# Altium PCB Блок 1а (БУ АРМ).PcbDoc (part 4 of 4)
Units mm, origin at the board's own origin, x right, y up, seen from the top; angles counter-clockwise.
Board outline 220 x 306 mm, 6 copper layers (Top Layer, Top, Internal Plane 1, gnd, Mid-Layer 1, int1, Layer 1, Layer 2, Bottom Layer), stack 2.063 mm thick; 441 components, 363 nets, 1411 pads, 551 vias.
Unrouted connection lines stored in the file: 221.
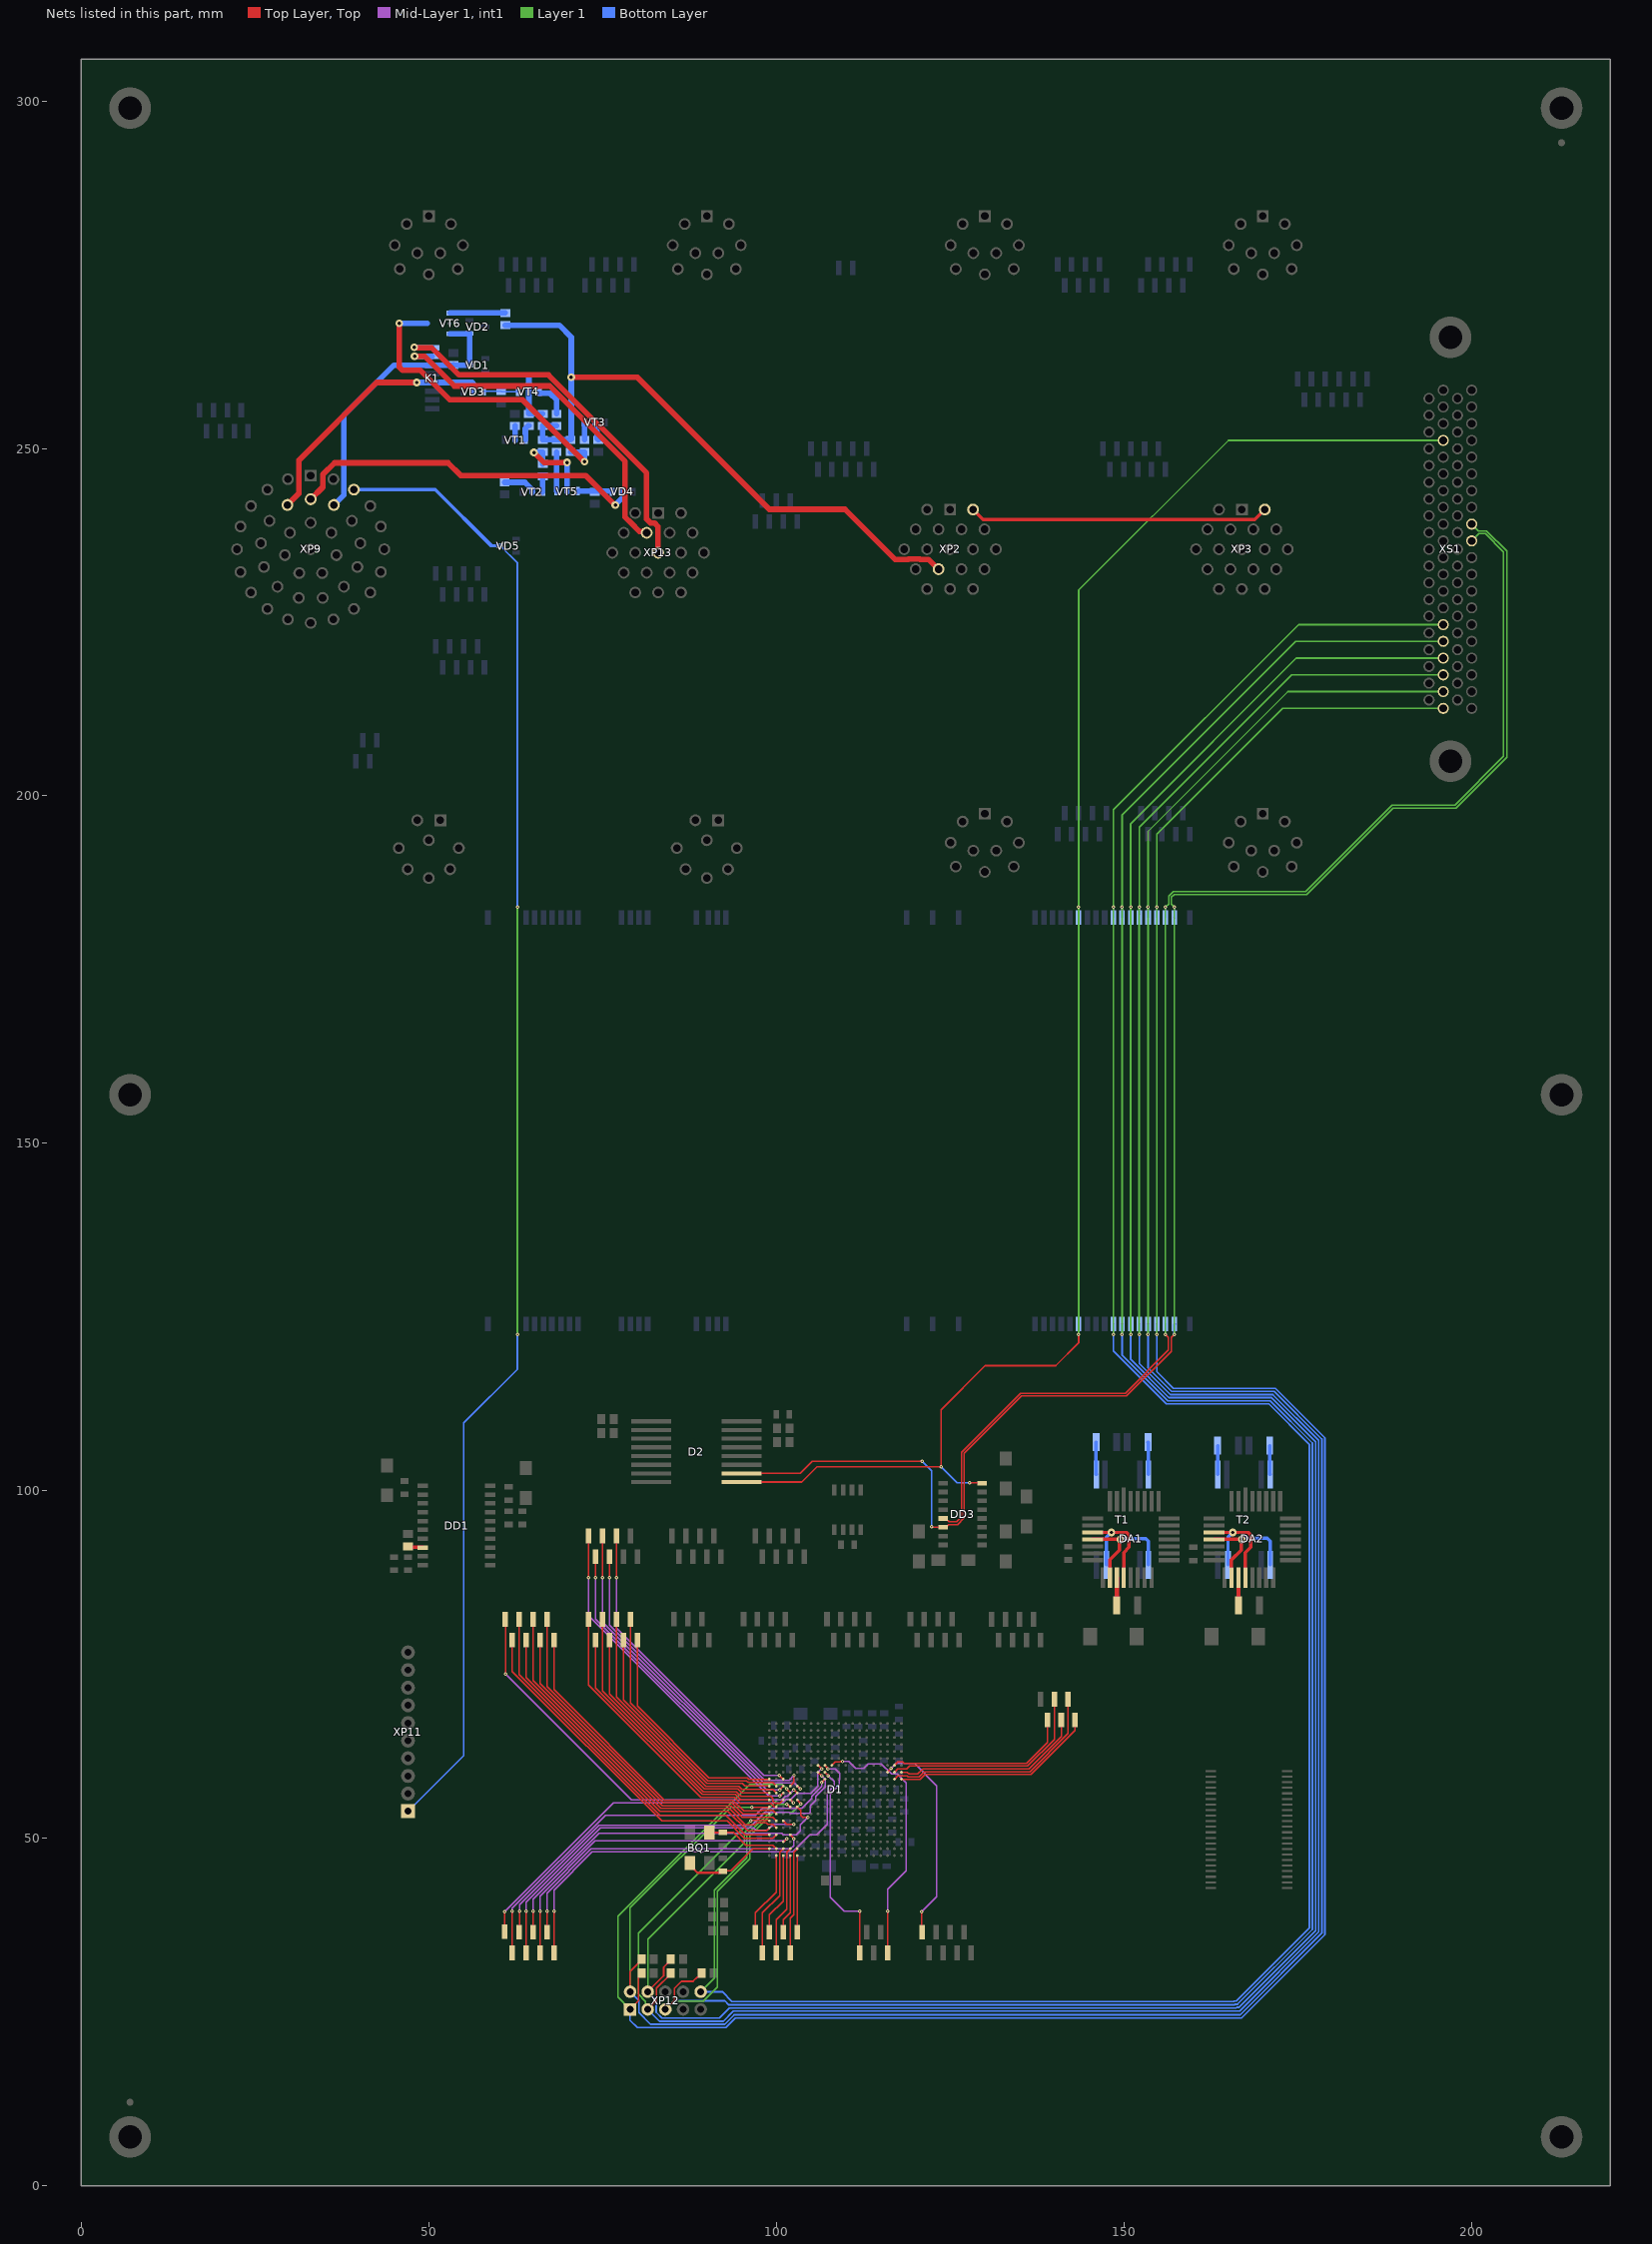
[diagram p8: the nets of this part, all layers, seen from the top]

## Via types
v1: diameter 0.5, hole 0.2, Top Layer, Top to Bottom Layer, tented both sides, 339 vias
v2: diameter 1.1, hole 0.5, Top Layer, Top to Bottom Layer, 100 vias
v3: diameter 0.5, hole 0.2, Top Layer, Top to Bottom Layer, 90 vias
v4: diameter 1.1, hole 0.5, Top Layer, Top to Bottom Layer, tented both sides, 22 vias

## Nets (pads, with @x,y where several pads share a name; then routed paths per layer and width w, separated by ;. In a path a pad name is that pad's centre, name@x,y a point inside that pad or via, vN(x,y) a via of type N, cw(c..) or ccw(c..) an arc to the next point about the centre after c; other vN are vias at no path point) (continued)
NetD1_G8: D1.G8 X98.1 | length 58.9
  Top Layer, Top w0.2: X98.1@60.934,36.567 v1(60.934,39.434) ; D1.G8@106,60.5 106.007,60.5 106.507,60 v1(106.514,60)
  Mid-Layer 1, int1 w0.2: v1(60.934,39.434) 76.562,55.062 100.924,55.062 101.473,55.611 102.111,55.611 102.975,56.475 104.985,56.475 105.957,57.448 105.957,59.457 106.5,60 v1(106.514,60)
NetD1_G9: D1.G9 X61.1 | length 32.1
  Top Layer, Top w0.2: D1.G9@107,60.5 107,60.455 107.436,60.019 v1(107.436,59.975) ; X61.1@112,33.5 v1(112,39.5)
  Mid-Layer 1, int1 w0.2: v1(107.436,59.975) 107.461,60 108.453,60 109.1,59.353 109.1,58.472 109.027,58.399 109.027,57.643 107.754,56.37 107.754,41.496 109.75,39.5 v1(112,39.5)
NetD1_G10: D1.G10 X53.1 | length 38.3
  Top Layer, Top w0.2: D1.G10@108,60.5 108.495,60.995 109.195,60.995 109.217,61.017 109.476,61.017 v1(109.524,61.064) ; X53.1@116,33.5 v1(116,39.5)
  Mid-Layer 1, int1 w0.2: v1(109.524,61.064) 109.534,61.074 110.432,61.074 111.452,60.054 112.594,60.054 113.256,60.716 115.081,60.716 116.567,59.23 117.392,59.23 118.676,57.946 118.676,45.338 116,42.662 v1(116,39.5)
NetD1_G19: D1.G19 X137.1 | length 26.8
  Top Layer, Top w0.2: D1.G19@117,60.5 117.495,60.995 118.205,60.995 118.43,60.77 135.999,60.77 139,63.77 X137.1@139,67
NetD1_H8: D1.H8 X89.1 | length 58.7
  Top Layer, Top w0.2: X89.1@63,36.5 63.05,36.55 v1(63.05,39.491) ; D1.H8@106,59.5 106.564,58.936 106.587,58.959 v1@106.587,58.995
  Mid-Layer 1, int1 w0.2: v1(63.05,39.491) 63.05,40.419 74.517,51.886 96.511,51.886 98.373,53.748 101.828,53.748 102.032,53.543 104.657,53.543 104.864,53.75 104.864,54.661 105.658,55.454 105.658,56.017 107.057,57.417 107.057,58.493 v1(106.55,59)
NetD1_H9: D1.H9 X67.1 | length 60.8
  Top Layer, Top w0.2: X67.1@68,33.5 v1(68,39.5) ; D1.H9@107,59.5 107,59.471 107.442,59.029 v1(107.442,59)
  Mid-Layer 1, int1 w0.2: v1(68,39.5) 68,42.54 73.519,48.059 102.408,48.059 104.828,50.479 105.811,50.479 107.354,52.021 107.354,56.548 108.342,57.536 108.342,58.158 107.5,59 v1(107.442,59)
NetD1_H18: D1.H18 X134.1 | length 30.8
  Top Layer, Top w0.2: D1.H18@116,59.5 116,59.537 116.5,60.037 v1(116.5,60.075) ; X134.1@120.934,36.567 v1(120.934,39.434)
  Mid-Layer 1, int1 w0.2: v1(116.5,60.075) 117.16,60.735 119.914,60.735 123.086,57.564 123.086,41.586 v1(120.934,39.434)
NetD1_H19: D1.H19 X135.1 | length 30.7
  Top Layer, Top w0.2: D1.H19@117,59.5 117.495,59.995 118.792,59.995 119.166,60.37 136.165,60.37 140,64.204 X135.1@140,70
NetD1_H20: D1.H20 X136.1 | length 27.7
  Top Layer, Top w0.2: D1.H20@118,59.5 118.857,59.5 119.127,59.23 120.361,59.23 121.101,59.97 136.331,59.97 141,64.639 X136.1@141,67
NetD1_J1: D1.J1 X101.1 | length 32.8
  Top Layer, Top w0.2: X101.1@80,78.5 80,69.009 90.33,58.679 95.841,58.679 96.02,58.5 D1.J1@99,58.5
NetD1_J3: D1.J3 X100.1 | length 46.3
  Top Layer, Top w0.2: v1(77,87.5) X100.1@77,93.5 ; v1(100.459,59.036) 100.461,59.036 100.997,58.5 D1.J3@101,58.5
  Mid-Layer 1, int1 w0.2: v1(77,87.5) 77,80.263 98.213,59.05 100.445,59.05 v1(100.459,59.036)
NetD1_J9: D1.J9 X62.1 | length 59.6
  Top Layer, Top w0.2: X62.1@62,33.5 v1(62,39.5) ; v1(106.507,58) 106.507,58.004 107,58.496 D1.J9@107,58.5
  Mid-Layer 1, int1 w0.2: v1(62,39.5) 62,39.934 62.283,40.217 75.389,53.323 96.993,53.323 97.992,54.322 103.672,54.322 105.075,55.725 105.075,56 106.525,57.45 106.525,57.982 v1(106.507,58)
NetD1_J19: D1.J19 X132.1 | length 32.8
  Top Layer, Top w0.2: D1.J19@117,58.5 117.495,58.995 118.796,58.995 118.961,58.83 120.527,58.83 121.267,59.57 136.497,59.57 142,65.073 X132.1@142,70
NetD1_J20: D1.J20 X133.1 | length 29.5
  Top Layer, Top w0.2: D1.J20@118,58.5 118.725,58.5 118.795,58.43 120.693,58.43 121.432,59.17 136.662,59.17 143,65.507 X133.1@143,67
NetD1_K1: D1.K1 X102.1 | length 34.7
  Top Layer, Top w0.2: X102.1@78,78.5 78,69.878 89.999,57.879 95.079,57.879 95.459,57.5 D1.K1@99,57.5
NetD1_K2: D1.K2 X103.1 | length 38
  Top Layer, Top w0.2: X103.1@79,81.5 79,69.444 90.164,58.279 95.675,58.279 95.949,58.005 99.495,58.005 D1.K2@100,57.5
NetD1_K3: D1.K3 X104.1 | length 46.4
  Top Layer, Top w0.2: v1(74,87.5) X104.1@74,90.5 ; v1@100.431,56.98 100.48,56.98 D1.K3@101,57.5
  Mid-Layer 1, int1 w0.2: v1(74,87.5) 74,81.566 98.641,56.925 v1(100.5,56.925)
NetD1_K4: D1.K4 X105.1 | length 47.7
  Top Layer, Top w0.2: v1(76,87.5) X105.1@76,90.5 ; D1.K4@102,57.5 102.505,58.005 102.505,58.989 v1(102.551,59.036)
  Mid-Layer 1, int1 w0.2: v1(76,87.5) 76,80.697 98.367,58.33 101.845,58.33 v1(102.551,59.036)
NetD1_K5: D1.K5 X106.1 | length 51.4
  Top Layer, Top w0.2: v1(75,87.5) X106.1@75,93.5 ; D1.K5@103,57.5 103.03,57.5 103.444,57.086 v1@103.475,57.086
  Mid-Layer 1, int1 w0.2: v1(75,87.5) 75,81.131 98.202,57.93 102.62,57.93 v1(103.45,57.1)
NetD1_L1: D1.L1 X107.1 | length 36.7
  Top Layer, Top w0.2: X107.1@76,78.5 76,70.747 89.667,57.079 94.435,57.079 95.015,56.5 D1.L1@99,56.5
NetD1_L2: D1.L2 X108.1 | length 39.9
  Top Layer, Top w0.2: X108.1@77,81.5 77,70.312 89.833,57.479 94.603,57.479 95.077,57.005 99.495,57.005 D1.L2@100,56.5
NetD1_L3: D1.L3 X109.1 | length 50.4
  Top Layer, Top w0.2: v1(73,87.5) X109.1@73,93.5 ; v1@100.492,56.036 100.514,56.036 100.978,56.5 D1.L3@101,56.5
  Mid-Layer 1, int1 w0.2: v1(73,87.5) 73,82 98.925,56.075 v1(100.5,56.075)
NetD1_L5: D1.L5 X111.1 | length 58.1
  Top Layer, Top w0.2: X111.1@61,81.5 61.075,81.425 v1(61.075,73.604) ; v1@102.529,56.953 102.538,56.953 102.991,56.5 D1.L5@103,56.5
  Mid-Layer 1, int1 w0.2: v1(61.075,73.604) 79.179,55.5 100.796,55.5 101.307,56.011 101.586,56.011 v1(102.5,56.925)
NetD1_M1: D1.M1 X112.1 | length 38.6
  Top Layer, Top w0.2: X112.1@74,78.5 74,71.615 89.336,56.279 94.104,56.279 94.884,55.5 D1.M1@99,55.5
NetD1_M3: D1.M3 X114.1 | length 43.5
  Top Layer, Top w0.2: X114.1@75,81.5 75,71.181 89.501,56.679 94.27,56.679 94.954,55.995 99.205,55.995 99.5,55.7 99.5,55.3 99.795,55.005 100.505,55.005 D1.M3@101,55.5
NetD1_N2: D1.N2 X113.1 | length 43.7
  Top Layer, Top w0.2: X113.1@73,81.5 73,72.049 89.17,55.879 93.938,55.879 94.813,55.005 99.217,55.005 99.711,54.511 99.989,54.511 D1.N2@100,54.5
NetD1_N5: D1.N5 X110.1 | length 52.5
  Top Layer, Top w0.2: X110.1@65,36.5 v1(65,39.5) ; D1.N5@103,54.456 103.044,54.456 103.495,54.005 103.495,53.305 103.8,53 104.544,53 v1(104.562,52.982)
  Top Layer, Top w0.4: D1.N5@103,54.456 D1.N5@103,54.5
  Mid-Layer 1, int1 w0.2: v1(65,39.5) 65,41.237 74.482,50.719 96.92,50.719 96.94,50.7 100.77,50.7 100.984,50.486 102.862,50.486 103.471,51.095 103.471,51.89 v1(104.562,52.982)
NetD1_P1: D1.P1 X116.1 | length 49.3
  Top Layer, Top w0.2: X116.1@67,81.5 67,71.84 83.76,55.079 93.607,55.079 95.186,53.5 D1.P1@99,53.5
NetD1_P2: D1.P2 X115.1 | length 46.6
  Top Layer, Top w0.2: X115.1@68,78.5 68,71.405 83.926,55.479 93.773,55.479 95.35,53.902 97.833,53.902 97.925,53.995 99.505,53.995 D1.P2@100,53.5
NetD1_Q2: D1.Q2 X118.1 | length 48.4
  Top Layer, Top w0.2: X118.1@66,78.5 66,72.274 83.595,54.679 93.441,54.679 95.087,53.034 97.277,53.034 97.305,53.005 99.495,53.005 D1.Q2@100,52.5
NetD1_Q3: D1.Q3 X117.1 | length 52.4
  Top Layer, Top w0.2: X117.1@64,33.5 v1(64,39.5) ; D1.Q3@101,52.5 101.495,52.005 102.361,52.005 102.363,52.007 v1@102.416,52.007
  Mid-Layer 1, int1 w0.2: v1(64,39.5) 64,40.803 74.683,51.486 96.719,51.486 97.105,51.1 98.652,51.1 99.552,52 v1(102.5,52)
NetD1_R1: D1.R1 X120.1 | length 49.7
  Top Layer, Top w0.2: X120.1@64,78.5 64,73.143 83.263,53.879 93.055,53.879 95.898,51.036 98.589,51.036 98.911,51.359 99,51.449 D1.R1@99,51.5
NetD1_R2: D1.R2 X119.1 | length 52.8
  Top Layer, Top w0.2: X119.1@65,81.5 65,72.708 83.429,54.279 93.221,54.279 95.566,51.934 96.944,51.934 97.211,52.2 98.589,52.2 98.784,52.005 99.495,52.005 D1.R2@100,51.5
NetD1_S1: D1.S1 X122.1 | length 53.5
  Top Layer, Top w0.2: X122.1@63,81.5 63,73.577 83.254,53.323 92.721,53.323 95.544,50.5 D1.S1@99,50.5
NetD1_S2: D1.S2 X121.1 | length 52.6
  Top Layer, Top w0.2: X121.1@62,78.5 62,74.011 83.511,52.5 92.928,52.5 95.423,50.005 99.505,50.005 D1.S2@100,50.5
NetD1_S4: D1.S4 X123.1 | length 45.7
  Top Layer, Top w0.2: X123.1@67,36.5 v1(67,39.5) ; D1.S4@102,50.5 102,50.465 102.5,49.964 v1(102.5,49.929)
  Mid-Layer 1, int1 w0.2: v1(67,39.5) 67,42.106 73.353,48.459 102.024,48.459 102.5,48.935 v1(102.5,49.929)
NetD1_T3: D1.T3 X124.1 | length 47.8
  Top Layer, Top w0.2: X124.1@66,33.5 v1(66,39.5) ; D1.T3@101.017,49.5 101.044,49.5 101.481,49.936 v1(101.525,49.936)
  Mid-Layer 1, int1 w0.2: v1(66,39.5) 66,41.672 73.928,49.6 101.107,49.6 101.444,49.936 v1(101.525,49.936)
NetD1_U3: D1.U3 X125.1 | length 16.2
  Top Layer, Top w0.2: X125.1@98,33.5 98,39.244 100.5,41.744 100.5,48 D1.U3@101,48.5
NetD1_U4: D1.U4 X128.1 | length 15.8
  Top Layer, Top w0.2: X128.1@100,33.5 100,38.244 101.505,39.749 101.505,48.005 D1.U4@102,48.5
NetD1_U5: D1.U5 X130.1 | length 15.4
  Top Layer, Top w0.2: X130.1@102,33.5 102,38.5 102.5,39 102.5,48 D1.U5@103,48.5
NetD1_V2: D1.V2 X126.1 | length 12.2
  Top Layer, Top w0.2: X126.1@97,36.5 97,39.244 99.992,42.236 99.992,47.492 D1.V2@100,47.5
NetD1_V3: D1.V3 X127.1 | length 11.8
  Top Layer, Top w0.2: X127.1@99,36.5 99,38.97 100.992,40.962 100.992,45.978 101,45.986 D1.V3@101,47.5
NetD1_V4: D1.V4 X129.1 | length 11.4
  Top Layer, Top w0.2: X129.1@101,36.5 101,38.244 102,39.244 D1.V4@102,47.5
NetD1_V5: D1.V5 X131.1 | length 11.1
  Top Layer, Top w0.2: D1.V5@103,47.5 103,36.828 X131.1@103.292,36.536
NetDA1_6: DA1.6 DA1.13 Т1.4 | length 16.8
  Top Layer, Top w0.5: DA1.6@145.5,94 v2(148.2,94) 150.4,94 150.754,93.646 150.754,91.854 150,91.1 DA1.13@150,87.5
  Bottom Layer w0.5: Т1.4@147.5,89.35 147.5,93.3 v2(148.2,94)
NetDA1_7: DA1.7 DA1.11 Т1.1 | length 17.9
  Top Layer, Top w0.5: DA1.7@145.5,93 149.4,93 149.5,93.1 149.385,92.985 149.385,91.454 148,90.069 DA1.11@148,87.5
  Bottom Layer w0.5: v2(149.5,93) 149.6,93.1 153.2,93.1 153.55,92.75 Т1.1@153.55,89.35
NetDA1_12: DA1.12 R1.2 | length 4
  Top Layer, Top w0.6: R1.2@149,83.5 DA1.12@149,87.5
NetDA2_6: DA2.6 DA2.13 Т2.4 | length 16.8
  Top Layer, Top w0.5: DA2.6@163,94 v2(165.7,94) 167.9,94 168.254,93.646 168.254,91.854 167.5,91.1 DA2.13@167.5,87.5
  Bottom Layer w0.5: Т2.4@165,89.35 165,93.3 v2(165.7,94)
NetDA2_7: DA2.7 DA2.11 Т2.1 | length 17.6
  Top Layer, Top w0.5: DA2.7@163,93 v2@166.9,93 ; DA2.11@165.5,87.5 165.5,90.069 166.885,91.454 v2@166.885,92.985
  Bottom Layer w0.5: v2(167,93) 167.15,93.15 170.65,93.15 171.05,92.75 Т2.1@171.05,89.35
NetDA2_12: DA2.12 R2.2 | length 4
  Top Layer, Top w0.6: R2.2@166.5,83.5 DA2.12@166.5,87.5
NetDD1_18: DD1.18 R3.1 | length 2.2
  Top Layer, Top w0.5: R3.1@47,92 47.1,91.9 49.075,91.9 DD1.18@49.15,91.825
NetR4_1: R4.1 Т1.8 | length 4.7
  Bottom Layer w0.5: R4.1@153.5,107 153.525,106.975 153.525,102.375 Т1.8@153.55,102.35
NetR5_1: R5.1 Т1.5 | length 4.7
  Bottom Layer w0.5: R5.1@146,107 146.025,106.975 146.025,102.375 Т1.5@146.05,102.35
NetR6_1: R6.1 Т2.8 | length 4.2
  Bottom Layer w0.5: R6.1@171,106.5 171.025,106.475 171.025,102.375 Т2.8@171.05,102.35
NetR7_1: R7.1 Т2.5 | length 4.2
  Bottom Layer w0.5: R7.1@163.5,106.5 163.525,106.475 163.525,102.375 Т2.5@163.55,102.35
NetR15_2: R15.2 VT1.3 | length 2.1
  Bottom Layer w0.8: VT1.3@62.393,251.154 R15.2@62.393,253.254
NetR16_2: R16.2 VT2.3 | length 4.8
  Bottom Layer w0.8: R16.2@60.893,245.129 63.817,245.129 64.893,244.053 VT2.3@64.893,243.654
NetR17_2: R17.2 VT3.3 | length 2.8
  Bottom Layer w0.8: VT3.3@73.893,253.854 73.893,252.756 74.208,252.441 74.208,251.429 74.383,251.254 R17.2@74.393,251.254
NetR18_1: R18.1 R19.2 VT4.3 | length 7.2
  Bottom Layer w0.8: 64.393,260.25 VT4.3@64.393,258.254 R19.2@64.393,255.004 R18.1@66.393,255.004
NetR19_1: R19.1 VT1.2 | length 2.3
  Bottom Layer w0.8: VT1.2@63.893,251.254 63.893,252.879 64.268,253.254 R19.1@64.393,253.254
NetR20_1: R20.1 R21.2 VT5.3 | length 12.6
  Top Layer, Top w0.8: v4(65.119,249.429) 66.556,247.993 v4(69.867,247.993)
  Bottom Layer w0.8: v4(65.119,249.429) 65.157,249.467 66.356,249.467 R20.1@66.393,249.504 ; R20.1@66.331,249.391 66.393,249.329 R21.2@66.393,247.754 ; v4(69.867,247.993) 69.893,247.967 VT5.3@69.893,243.754
NetR21_1: R21.1 VT2.2 | length 2.3
  Bottom Layer w0.8: VT2.2@66.393,243.754 R21.1@66.393,246.004
NetR22_1: R22.1 R23.2 VT6.3 | length 46
  Top Layer, Top w0.8: v4(45.75,268) 45.75,261.719 46.219,261.25 48.771,261.25 53.021,257 63.5,257 v4(72.393,248.107)
  Bottom Layer w0.8: v4(45.75,268) 49.75,268 ; R22.1@70.393,249.504 R23.2@72.393,249.504 v4(72.393,248.107)
NetR23_1: R23.1 VT3.2 | length 2.5
  Bottom Layer w0.8: R23.1@72.393,251.254 VT3.2@72.393,253.754
NetR24_1: R24.1 VD3.2 VT4.2 | length 5
  Bottom Layer w0.25: VD3.2@57.893,258.254 R24.1@60.393,258.254 60.493,258.154 VT4.2@62.893,258.154
NetR25_1: R25.1 VD4.2 VT5.2 | length 4.8
  Bottom Layer w0.8: VT5.2@71.542,243.854 VD4.2@76.343,243.854
NetR27_1: R27.1 VT4.1 | length 4.8
  Bottom Layer w0.8: VT4.1@65.943,257.954 67.436,257.954 68.393,256.997 R27.1@68.393,255.004
NetR28_1: R28.1 VT5.1 | length 5.7
  Bottom Layer w0.8: VT5.1@68.393,243.854 R28.1@68.393,249.504
NetR29_1: R29.1 VT6.1 | length 7.9
  Bottom Layer w0.8: VT6.1@53.1,269.5 R29.1@61,269.5
PUSK-K: K1.13 XP13.V | length 56
  Top Layer, Top w0.8: v4(47.902,264.556) 47.933,264.525 50.407,264.525 54.343,260.589 67.212,260.589 81.331,246.471 81.331,239.841 81.901,239.27 82.48,239.27 83,238.75 XP13.V@83,235
  Bottom Layer w0.8: v4(47.902,264.556) 47.958,264.5 K1.13@50.5,264.5
PUSK-N: K1.11 XP13.N | length 51.2
  Top Layer, Top w0.8: v4(47.947,263.256) 49.423,263.256 53.679,259 67.387,259 78.25,248.137 78.25,240.121 78.258,240.113 78.258,240.112 79.099,239.27 80.327,238.042 81.178,238.042 XP13.N@81.35,237.87
  Bottom Layer w0.8: v4(47.947,263.256) 47.953,263.25 K1.11@50.5,263.25
PUSK_27V: K1.12 VD3.3 XP9.jj | length 38.1
  Top Layer, Top w0.8: XP9.jj@29.65,241.88 31.301,243.531 31.301,248.301 42.5,259.5 v4(48.25,259.5)
  Bottom Layer w0.8: v4(48.25,259.5) K1.12@50.5,259.5 56.247,259.5 56.393,259.354 VD3.3@56.393,258.154
RESET: D1.N4 N37.1 N38.1 XP12.10 XS1.45 | length 368.9
  Top Layer, Top w0.2: v1(101.532,54.893) 101.57,54.893 101.962,54.5 D1.N4@102,54.5
  Layer 1 w0.2: XP12.10@89.12,27.9 91.114,29.894 91.114,42.505 95.793,47.183 95.793,50.493 100.192,54.893 v1(101.532,54.893)
  Layer 1 w0.25: v3(148.5,122.5) v3(148.5,184) 148.5,198 175.155,224.655 XS1.45@195.975,224.655
  Bottom Layer w0.25: XP12.10@89.12,27.9 92.227,27.9 93.627,26.5 165.818,26.5 165.868,26.55 166.186,26.55 176.7,37.064 176.7,106.686 170.893,112.493 156.143,112.493 148.5,120.136 v3(148.5,122.5) N37.1@148.5,124 ; N38.1@148.5,182.5 v3(148.5,184)
RS232_ETH_RX: DD3.13 N47.1 N48.1 XS1.11 | length 208.7
  Top Layer, Top w0.2: DD3.13@124.375,96 124.85,95.525 125.909,95.525 126.65,96.266 126.65,105.532 135.156,114.038 150.206,114.038 156.429,120.26 156.429,122.072 v3(156,122.5)
  Layer 1 w0.2: v3(156,184) 156.45,184.45 156.45,185.584 157.097,186.23 176.172,186.23 188.608,198.666 197.633,198.666 204.65,205.683 204.65,235.125 202.025,237.75 201.12,237.75 XS1.11@200.075,236.705
  Layer 1 w0.25: v3(156,122.5) v3(156,184)
  Bottom Layer w0.25: v3(156,122.5) N47.1@156,124 ; N48.1@156,182.5 v3(156,184)
RS232_ETH_TX: D2.10 DD3.14 N49.1 N50.1 XS1.12 | length 248.2
  Top Layer, Top w0.2: DD3.14@124.4,94.75 124.775,95.125 126.075,95.125 127.05,96.1 127.05,105.366 135.321,113.638 150.407,113.638 156.829,120.059 156.829,122.078 v3(157.25,122.5)
  Top Layer, Top w0.25: D2.10@95.025,102.5 103.425,102.5 105.175,104.25 v1(121,104.25) ; v1(122.35,94.8) 122.379,94.772 123.985,94.772 DD3.14@124.014,94.743
  Layer 1 w0.2: v3@157.273,183.977 v3(157.273,184) 156.85,184.422 156.85,185.418 157.262,185.83 176.337,185.83 188.774,198.266 197.799,198.266 205.125,205.592 205.125,235.216 202.191,238.15 201.04,238.15 XS1.12@200.075,239.115
  Layer 1 w0.25: v3@157.27,122.492 v3@157.27,183.791
  Bottom Layer w0.25: v1(121,104.25) 122.35,102.9 v1(122.35,94.8) ; v3@157.245,122.492 N49.1@157.245,123.995 ; N50.1@157.25,182.5 157.273,182.523 v3@157.273,183.977 ; N49.1@157.495,123.995 N49.1@157.5,124
SPUSKI: XP2.B XP3.B | length 43.2
  Top Layer, Top w0.5: XP2.B@128.3,241.22 129.742,239.778 168.858,239.778 XP3.B@170.3,241.22
SPUSKI_27V: VD4.3 XP9.X | length 52
  Top Layer, Top w0.8: XP9.X@33,242.7 34.75,244.45 34.75,246.249 36.436,247.935 52.762,247.935 54.596,246.101 72.574,246.101 v4(76.835,241.84)
  Bottom Layer w0.8: v4(76.835,241.84) 76.835,241.921 77.893,242.979 VD4.3@77.893,243.854
SWT_RS232_Rx: D2.9 DD3.8 N51.1 N52.1 XS1.56 | length 241.2
  Top Layer, Top w0.25: D2.9@95.025,101.25 103.65,101.25 105.85,103.45 v1(123.728,103.45) 123.728,111.666 130.062,118 140.203,118 143.5,121.297 v3(143.5,122.5) ; v1(127.798,101.152) 129.459,101.152 129.507,101.2 DD3.8@129.614,101.093
  Layer 1 w0.25: v3(143.5,122.5) v3(143.5,184) 143.5,229.6 165.065,251.165 XS1.56@195.975,251.165
  Bottom Layer w0.25: v1(123.728,103.45) 124.812,102.366 126.026,101.152 v1(127.798,101.152) ; v3(143.5,122.5) N51.1@143.5,124 ; N52.1@143.5,182.5 v3(143.5,184)
TCK: D1.L4 N27.1 N28.1 R30.1 XP12.1 XS1.40 | length 389.5
  Top Layer, Top w0.2: v1@101.505,57.086 101.563,57.029 101.563,56.937 D1.L4@102,56.5
  Top Layer, Top w0.25: XP12.1@78.96,25.36 80.185,26.585 80.185,30.156 R30.1@80.621,30.592
  Layer 1 w0.2: XP12.1@78.96,25.36 77.2,27.12 77.2,38.766 96.187,57.753 100.823,57.753 v1(101.5,57.075)
  Layer 1 w0.25: v3(154.75,122.5) v3(154.75,184) ; v3@154.75,184.128 154.75,194.5 172.855,212.605 XS1.40@195.975,212.605
  Bottom Layer w0.2: v1@101.505,57.016 v1@101.505,57.086
  Bottom Layer w0.25: XP12.1@78.96,25.36 78.96,23.79 80,22.75 92.75,22.75 94.124,24.124 166.943,24.124 178.95,36.132 178.95,107.618 171.825,114.743 157.143,114.743 154.75,117.136 v3(154.75,122.5) N27.1@154.75,124 ; N28.1@154.75,182.5 v3(154.75,184)
TDI: D1.N1 N29.1 N30.1 R31.1 XP12.2 XS1.41 | length 382.8
  Top Layer, Top w0.2: v1(96.481,54.452) 96.505,54.476 98.976,54.476 D1.N1@99,54.5
  Top Layer, Top w0.25: XP12.2@78.96,27.9 78.96,30.806 80.621,32.467 R31.1@80.621,32.592
  Layer 1 w0.2: XP12.2@78.96,27.9 78.96,39.96 93.452,54.452 v1(96.481,54.452)
  Layer 1 w0.25: v3(153.5,122.5) v3(153.5,184) 153.5,194.888 173.627,215.015 XS1.41@195.975,215.015
  Bottom Layer w0.25: XP12.2@78.96,27.9 80.23,26.63 80.23,24.898 81.928,23.2 92.564,23.2 93.938,24.574 166.756,24.574 178.5,36.318 178.5,107.432 171.638,114.293 156.888,114.293 153.5,117.682 N30.1@153.5,124 ; N29.1@153.5,182.5 v3(153.5,184)
TDO: D1.Q1 N31.1 N32.1 R32.1 XP12.3 XS1.42 | length 380.2
  Top Layer, Top w0.2: v1(96.331,52.484) 96.412,52.484 96.528,52.6 98.754,52.6 98.818,52.536 98.964,52.536 D1.Q1@99,52.5
  Top Layer, Top w0.25: XP12.3@81.5,25.36 82.771,26.631 82.771,28.417 84.821,30.467 R32.1@84.821,30.592 R32.1@84.821,30.717
  Layer 1 w0.2: XP12.3@81.5,25.36 81.194,25.666 81.194,26.509 80.16,27.543 80.16,36.313 v1(96.331,52.484)
  Layer 1 w0.25: v3@152.2,122.4 152.2,184 v3(152.25,184) 152.25,195.487 174.188,217.425 XS1.42@195.975,217.425
  Bottom Layer w0.25: XP12.3@81.5,25.36 83.21,23.65 92.377,23.65 93.845,25.118 166.663,25.118 178.05,36.504 178.05,107.246 171.452,113.843 156.702,113.843 152.25,118.296 v3(152.25,122.5) N32.1@152.25,124 ; N31.1@152.25,183.043 v3(152.25,184)
TMS: D1.M4 N33.1 N34.1 R33.1 XP12.4 XS1.43 | length 385
  Top Layer, Top w0.2: D1.M4@102,55.5 102.051,55.5 102.365,55.186 v1@102.436,55.186
  Top Layer, Top w0.25: XP12.4@81.5,27.9 83.8,30.2 83.8,31.446 R33.1@84.821,32.467
  Layer 1 w0.2: XP12.4@81.5,27.9 81.5,35.475 95.393,49.368 95.393,50.74 100.152,55.5 102.075,55.5 v1(102.475,55.1)
  Layer 1 w0.25: v3(151,122.5) v3(151,184) 151,196 174.835,219.835 XS1.43@195.975,219.835
  Bottom Layer w0.25: XP12.4@81.5,27.9 82.725,26.675 82.725,24.943 83.568,24.1 91.788,24.1 93.256,25.568 166.158,25.568 166.241,25.65 166.559,25.65 177.6,36.691 177.6,107.059 171.266,113.393 156.516,113.393 151,118.909 v3(151,122.5) N34.1@151,124 ; N33.1@151,182.5 v3(151,184)
TRST: D1.M5 N35.1 N36.1 R34.1 XP12.5 XS1.44 | length 390
  Top Layer, Top w0.2: D1.M5@103,55.5 103,55.488 103.524,54.963 v1(103.524,54.951)
  Top Layer, Top w0.25: XP12.5@84.04,25.36 85.342,26.662 85.342,28.395 86.348,29.4 88.025,29.4 88.65,30.025 88.775,30.025 89.225,30.475 R34.1@89.225,30.6 89.225,30.725 R34.1@88.775,31.175
  Layer 1 w0.2: XP12.5@84.04,25.36 85.24,26.56 89.477,26.56 91.514,28.597 91.514,42.339 96.193,47.018 96.193,50.327 99.605,53.74 102.312,53.74 v1(103.524,54.951)
  Layer 1 w0.25: v3(149.75,122.5) v3(149.75,184) 149.75,197.25 174.745,222.245 XS1.44@195.975,222.245
  Bottom Layer w0.25: XP12.5@84.04,25.36 85.265,26.585 92.573,26.585 93.126,26.032 165.986,26.032 166.054,26.1 166.373,26.1 177.15,36.877 177.15,106.873 171.079,112.943 156.329,112.943 149.75,119.523 v3(149.75,122.5) N36.1@149.75,124 ; N35.1@149.75,182.5 v3(149.75,184)
VKL_BU: VD5.3 XP9.C XP11.1 | length 214
  Layer 1 w0.25: v3(62.75,122.5) v3(62.75,184)
  Bottom Layer w0.25: XP11.1@47,53.88 55,61.88 55,109.75 62.75,117.5 v3(62.75,122.5) ; VD5.3@60.25,236 62.75,233.5 v3(62.75,184)
  Bottom Layer w0.5: XP9.C@39.23,244.08 50.92,244.08 59,236 VD5.3@60.25,236
VKL_GOTOV: K1.A R26.1 VD1.3 VD2.1 VT6.2 XP9.Y | length 41.9
  Bottom Layer w0.8: XP9.Y@36.35,241.88 37.75,243.28 37.75,254.75 45,262 K1.A@50.5,262 53.534,262 R26.1@53.548,262.014 53.562,262 VD1.3@55.85,262 VD2.1@55.85,266.55 55.825,266.525 53.125,266.525 VT6.2@53.1,266.5
VU_27: R18.2 R20.2 R22.2 R27.2 R28.2 R29.2 XP2.T | length 97.3
  Top Layer, Top w0.8: v4(70.5,260.25) 80,260.25 99,241.25 109.881,241.25 117.081,234.05 119.001,234.05 119.031,234.08 120.651,234.08 120.681,234.05 121.871,234.05 123.291,232.63 XP2.T@123.35,232.63
  Bottom Layer w0.8: R29.2@61,267.75 68.75,267.75 70.5,266 v4(70.5,260.25) 70.5,251.361 R22.2@70.393,251.254 R28.2@68.393,251.254 R20.2@66.393,251.254 R18.2@66.393,253.254 R27.2@68.393,253.254
XI_OSC: BQ1.1 C28.1 D1.U1 | length 13.6
  Top Layer, Top w0.2: C28.1@92.292,45.336 93.492,45.336 96.656,48.5 D1.U1@99,48.5
  Top Layer, Top w0.3: BQ1.1@87.542,46.436 88.142,45.836 88.142,45.561 88.673,45.03 91.986,45.03 C28.1@92.292,45.336
XO_OSC: BQ1.3 C44.1 D1.U2 | length 10.6
  Top Layer, Top w0.2: C44.1@92.292,50.836 93.789,50.836 95.63,48.995 99.505,48.995 D1.U2@100,48.5
  Top Layer, Top w0.3: BQ1.3@90.342,50.836 C44.1@92.292,50.836
pads on no net: D1.A17 D1.A18 D1.B1 D1.B16 D1.B18 D1.C1 D1.C2 D1.D1 D1.D2 D1.D3 D1.D4 D1.D11 D1.E1 D1.E2 D1.F1 D1.F2 D1.F4 D1.G1 D1.G2 D1.G4 D1.G5 D1.G18 D1.G20 D1.H1 D1.H2 D1.H16 D1.H17 D1.M2 D1.M18 D1.N3 D1.P16 D1.P17 D1.Q4 D1.Q17 D1.R3 D1.R8 D1.R9 D1.R10 D1.R12 D1.R13 D1.R16 D1.R18 D1.S7 D1.S8 D1.S9 D1.S10 D1.S11 D1.S12 D1.S13 D1.T1 D1.T5 D1.T6 D1.T7 D1.T8 D1.T9 D1.T10 D1.T11 D1.T12 D1.T14 D1.T15 D1.T18 D1.U9 D1.U10 D1.U11 D1.U12 D1.U13 D1.U14 D1.U15 D1.U16 D1.U20 D1.V9 D1.V10 D1.V11 D1.V13 D1.V14 D1.V15 D1.V16 D2.3 D2.4 D2.5 D2.6 D2.12 D2.13 D3.23 D3.28 DA1.1 DA1.8 DA1.9 DA1.16 DA1.17 DA1.18 DA1.19 DA1.20 DA1.21 DA1.22 DA1.23 DA1.24 DA1.25 DA1.26 DA1.27 DA1.28 DA1.29 DA1.30 DA2.1 DA2.8 DA2.9 DA2.16 DA2.17 DA2.18 DA2.19 DA2.20 DA2.21 DA2.22 DA2.23 DA2.24 DA2.25 DA2.26 DA2.27 DA2.28 DA2.29 DA2.30 DD1.2 DD1.14 DD3.7 DD3.9 DD3.10 K1.21 K1.22 K1.23 VD2.2 VD3.1 VD4.1 XP3.T XP4.J XP5.J XP6.J XP7.J XP8.J XP9.B XP9.dd XP9.ee XP9.H XP9.J XP9.K XP9.L XP9.M XP9.N XP9.P XP9.V XP9.W XP10.J XP11.10 XP12.6 XP12.9 XP13.B XP13.C XP13.H XP13.J XP13.K XP13.L XP13.M XP13.T XP14.H XS1.1 XS1.2 XS1.3 XS1.4 XS1.5 XS1.6 XS1.7 XS1.8 XS1.13 XS1.14 XS1.15 XS1.16 XS1.17 XS1.18 XS1.19 XS1.20 XS1.21 XS1.22 XS1.23 XS1.24 XS1.25 XS1.26 XS1.27 XS1.28 XS1.29 XS1.30 XS1.31 XS1.32 XS1.33 XS1.34 XS1.35 XS1.36 XS1.37 XS1.38 XS1.39 XS1.46 XS1.47 XS1.48 XS1.49 XS1.50 XS1.51 XS1.52 XS1.58 XS1.59 XS1.63 XS1.64 XS1.65 XS1.77 XS1.78 XS1.79 XS1.80 Т1.3 Т1.6 Т1.7 Т2.3 Т2.6 Т2.7
copper on no net: | length 1802.1
  Mid-Layer 1, int1 w2: 54.5,179.25 56.25,177.5 56.25,128.5 54.75,127 ; 105.25,126.5 103.75,128 103.75,178 105.5,179.75 ; 114.5,179.75 116.25,178 116.25,128 114.75,126.5 ; 165.25,127 163.75,128.5 163.75,177.5 165.5,179.25
  Layer 1 w0.25: v2(72.75,122) v2(72.75,184.5) ; v2(74,121.25) v2(74,185.25) ; v2(75.25,122) v2(75.25,184.5) ; v2(76.5,121.25) v2(76.5,185.25) ; v2(82.75,121.25) v2(82.75,184.5) ; v2(84,122) v2(84,185.25) ; v2(85.25,121.25) v2(85.25,184.5) ; v2(86.5,122) v2(86.5,185.25) v2@86.75,185.5 ; v3(94,122.5) 94,183.95 93.95,184 v3(94,184) ; v3(95.25,122.5) 95.25,184 v3(95.299,184) ; v3(96.5,122.5) 96.502,122.502 96.502,184.009 v3(96.505,184.012) v3@96.5,184.016 ; v3(97.75,122.5) v3(97.75,184) ; v3(100.25,122.5) 100.25,183.95 100.2,184 v3(100.25,184) ; v3(101.5,122.5) v3(101.5,184) v3@101.5,184.1 ; v3(128.5,122.5) v3(128.5,184) ; v3(129.75,184) 129.8,184 v3@129.8,122.4 ; v3(131,184) 131.1,184 v3@131.1,122.4 ; v3(132.25,184) 132.3,184 v3@132.3,122.45 ; v3(133.5,122.5) 133.5,183.95 133.55,184 v3(133.5,184) ; v3(134.75,122.5) v3(134.75,184) ; v3(136,122.5) v3(136,184) ; v3@93.95,122.4 94,122.4 94,122.45 v3@93.95,122.4
  Layer 1 w0.8: v2(99,122) v2(99,184.5)
  Layer 1 w2: 54.5,179.25 56.25,177.5 56.25,128.5 54.75,127 ; 105.25,126.5 103.75,128 103.75,178 105.5,179.75 ; 114.5,179.75 116.25,178 116.25,128 114.75,126.5 ; 165.25,127 163.75,128.5 163.75,177.5 165.5,179.25
  other v3: 129.75,122.5 131,122.5 132.25,122.5

## Polygon pours and split planes (outlines as drawn)
+3.3V on Mid-Layer 1, int1 "+3.3V_L03_P004" (solid, remove dead copper, pour order 4): 107.818,60.566 122.5,60.566 122.5,41.618 107.818,41.618
GND on Mid-Layer 1, int1 "Mid-Layer 1, int1-DGND" (hatched 45Degree grid 0.885 track 0.25, pour order 2): 124,123.5 124.25,121.75 126.5,121.75 126.75,123.5 161.75,123.5 161.75,183.25 126.75,183.25 126.5,184.75 124.25,184.75 124,183.25 117.75,183.25 118,123.5
GND on Mid-Layer 1, int1 "Mid-Layer 1, int1-DGND 1" (hatched 45Degree grid 0.885 track 0.25, pour order 0): 58,121.75 60.75,121.75 60.75,123.5 76.75,123.5 76.75,122.5 77.5,121.75 81.5,121.75 82.25,122.75 82.25,123.5 102.25,123.75 101.75,183.25 82.25,183.25 82.25,184.25 81.5,185 77.75,185 77,184.25 77,183.25 60.75,183.25 60.75,185 58,185
+1.2V on Layer 1 "+1.2V_L04_P003" (solid, remove dead copper, pour order 3): 36.25,80.25 128,80.25 128,14.25 50.5,14.25 36.25,28.5
GND on Internal Plane 1, gnd (split plane): 219.49,0.51 0.51,0.51 0.51,305.49 219.49,305.49
GND on Internal Plane 1, gnd (split plane): 333 vertices, not listed, extent 13.636,178.502 206.364,292.492
GND on Internal Plane 1, gnd (split plane): 173.322,127.072 173.344,127.054 173.374,127.032 173.435,127.006 173.5,126.998 178,126.998 178.065,127.006 178.126,127.032 178.178,127.072 178.603,127.497 178.667,127.491 178.677,127.49 182.154,127.49 185.49,124.154 185.49,16.846 182.154,13.51 178.596,13.51 178.178,13.928 178.126,13.968 178.065,13.994 178,14.002 173.5,14.002 173.492,14.001 173.435,13.994 173.392,13.976 173.374,13.968 173.351,13.951 173.322,13.928 172.897,13.503 172.823,13.51 47.102,13.51 47.097,13.51 46.678,13.928 46.626,13.968 46.565,13.994 46.5,14.002 42,14.002 41.935,13.994 41.874,13.968 41.822,13.928 41.401,13.508 41.373,13.51 37.846,13.51 34.51,16.846 34.51,124.154 37.846,127.49 41.398,127.49 41.403,127.49 41.822,127.072 41.874,127.032 41.935,127.006 42,126.998 46.5,126.998 46.565,127.006 46.626,127.032 46.678,127.072 47.104,127.498 172.896,127.498
GND on Internal Plane 1, gnd (split plane): 193.623,270.377 193.497,270.377 193.497,271.929 192.223,271.929 192.223,270.377 191.877,270.377 191.877,272.623 193.623,272.623
+3.3V on Layer 2 (split plane): 206.364,203.263 199.237,196.136 188.795,196.136 188.762,196.133 188.729,196.131 188.322,196.078 188.29,196.07 188.257,196.065 187.861,195.959 187.83,195.947 187.798,195.937 187.419,195.781 187.39,195.765 187.359,195.751 187.005,195.546 186.978,195.527 186.949,195.509 186.624,195.26 186.6,195.237 186.574,195.216 186.284,194.926 186.263,194.9 186.24,194.876 185.991,194.551 185.973,194.522 185.954,194.495 185.749,194.141 185.735,194.11 185.719,194.081 185.563,193.702 185.553,193.67 185.541,193.639 185.435,193.243 185.43,193.21 185.422,193.178 185.369,192.771 185.367,192.738 185.364,192.705 185.364,192.5 185.364,181.763 182.237,178.636 178.54,178.636 178.477,178.63 178.178,178.928 178.126,178.968 178.065,178.994 178,179.002 173.5,179.002 173.492,179.001 173.435,178.994 173.392,178.976 173.374,178.968 173.351,178.951 173.322,178.928 172.896,178.502 126.752,178.502 126.752,205.498 183,205.498 183.032,205.502 183.064,205.506 183.065,205.506 183.095,205.519 183.125,205.531 183.126,205.532 183.152,205.551 183.177,205.571 183.178,205.571 183.178,205.572 183.198,205.597 183.218,205.623 183.218,205.624 183.231,205.654 183.243,205.683 183.243,205.684 183.244,205.685 183.248,205.717 183.252,205.749 183.502,253.999 183.502,254 183.498,254.032 183.494,254.064 183.494,254.065 183.481,254.095 183.469,254.125 183.468,254.126 183.449,254.152 183.429,254.177 183.429,254.178 183.428,254.178 183.403,254.198 183.377,254.218 183.376,254.218 183.346,254.231 183.317,254.243 183.316,254.243 183.315,254.244 183.283,254.248 183.251,254.252 183.25,254.252 156.502,254.252 156.502,261.248 206.364,261.248
no net on Layer 2 (split plane): 193.623,270.377 193.274,270.377 193.274,271.896 192,271.896 192,270.377 191.877,270.377 191.877,272.623 193.623,272.623
+3.3V on Layer 2 (split plane): 214 vertices, not listed, extent 41.15,23.902 185.49,127.498
+1.2V on Layer 2 (split plane): 121.523,47.252 116.446,47.252 116.446,55.053 117.134,55.053 117.199,55.062 117.26,55.087 117.312,55.127 117.353,55.179 117.378,55.24 117.386,55.305 117.386,58 117.378,58.066 117.36,58.109 117.353,58.126 117.335,58.149 117.312,58.179 116.594,58.897 116.594,61.935 116.586,62 116.56,62.061 116.52,62.113 116.068,62.565 116.068,63.143 116.233,63.308 117.426,64.5 117.466,64.553 117.491,64.613 117.499,64.679 117.499,65.49 117.491,65.555 117.466,65.616 117.426,65.668 116.829,66.264 116.777,66.304 116.716,66.33 116.651,66.338 109.378,66.338 109.313,66.33 109.252,66.304 109.2,66.264 108.316,65.381 108.276,65.329 108.251,65.268 108.243,65.202 108.243,63.08 108.251,63.015 108.276,62.954 108.316,62.902 112.091,59.127 112.091,54.678 110.665,53.252 105.923,53.252 105.923,55.829 105.915,55.894 105.897,55.937 105.889,55.955 105.872,55.978 105.849,56.007 105.183,56.674 105.178,56.678 105.126,56.718 105.065,56.744 105,56.752 104.964,56.747 104.252,56.747 104.252,57.457 105.178,58.383 105.218,58.435 105.244,58.496 105.252,58.561 105.252,61.304 105.244,61.369 105.218,61.43 105.178,61.482 104.567,62.094 104.514,62.134 104.454,62.159 104.388,62.168 103.564,62.168 103.498,62.159 103.438,62.134 103.385,62.094 102.371,61.08 101.401,62.05 102.278,62.927 102.318,62.979 102.343,63.04 102.351,63.105 102.351,65.953 102.343,66.019 102.318,66.079 102.278,66.132 102.225,66.172 102.165,66.197 102.099,66.206 80.703,66.206 80.638,66.197 80.577,66.172 80.525,66.132 76.162,61.769 41.161,61.769 41.151,64.998 59.25,64.998 59.315,65.006 59.376,65.032 59.428,65.072 64.912,70.556 121.523,70.556
GND on Layer 2 (split plane): 290 vertices, not listed, extent 13.636,178.502 206.364,292.492
+5V on Layer 2 (split plane): 155 vertices, not listed, extent 34.51,13.503 185.49,127.498
no net on Layer 2 (split plane): 219.49,0.51 0.51,0.51 0.51,305.49 219.49,305.49

## Keep-outs
Keep-Out Layer, Board:
  the board outline again, w0.127

## Other copper
Top Layer, Top:
  text "1" at 192,270 h3
  text "V1" at 123.187,-13.585 h2
Mid-Layer 1, int1:
  text "3" at 192,270 h3
Layer 1:
  text "4" at 193.5,270 h3
Bottom Layer:
  text "6" at 193.5,270 h3
Internal Plane 1, gnd (plane layer: these items are gaps in the copper):
  lines w0.25: 191.75,270.25 193.75,270.25 193.75,272.75 191.75,272.75 191.75,270.25
  lines w0.5: 13.25,213.25 26,213.25 27.75,212.75 28.75,211.25 29,210.5 29,195.75 31.25,195.75 32.75,195.25 33.75,194.25 34.25,193 34.25,181.5 37.5,178.25 41.5,178.25 42,178.75 46.5,178.75 47,178.25 173,178.25 173.5,178.75 178,178.75 178.5,178.25 182.5,178.25 185.75,181.5 185.75,193 186,194 186.75,195 188.25,195.75 199.25,195.75 206.75,203.25 206.75,267.75 199.25,275.25 188.5,275.25 187.25,275.75 186.25,276.75 185.75,278 185.75,289.25 182.25,292.75 178.5,292.75 178,292.25 173.5,292.25 173,292.75 47,292.75 46.5,292.25 42,292.25 41.5,292.75 37.75,292.75 34.25,289.25 34.25,277.75 33.75,276.75 32.75,275.75 31.75,275.25 28.75,275.25 28.75,260.75 28.5,259.5 27.5,258.25 26,257.75 13.25,257.75 13.25,213.25 ; 34.25,16.75 37.75,13.25 41.5,13.25 42,13.75 46.5,13.75 47,13.25 173,13.25 173.5,13.75 178,13.75 178.5,13.25 182.25,13.25 185.75,16.75 185.75,124.25 182.25,127.75 178.5,127.75 178,127.25 173.5,127.25 173,127.75 47,127.75 46.5,127.25 42,127.25 41.5,127.75 37.75,127.75 34.25,124.25 34.25,16.75
  text "2" at 193.5,270 h3
Layer 2 (plane layer: these items are gaps in the copper):
  lines w0.25: 191.75,270.25 193.75,270.25 193.75,272.75 191.75,272.75 191.75,270.25
  lines w0.5: 57.812,81 64.5,81 85.25,81 115.25,81 115.25,102.75 103.5,102.75 103.5,100.75 83,100.75 73.75,91.5 62.614,91.5 62.614,97 66.5,97 68,98.5 68,119.238 121.25,119.238 121.25,127.55 121.05,127.75 ; 59.213,81 49,81 49,69 48.25,68.25 40.898,68.25 40.898,65.25 ; 76.192,61.517 76.25,61.517 76.25,24.407 77.007,23.65 142.75,23.65 142.75,47.75 ; 87.5,31.5 129.25,31.5 ; 105,56.5 105.671,55.829 105.671,53 110.477,53 110.77,53 112.343,54.574 112.343,59.232 108.495,63.08 108.495,65.202 109.378,66.086 110.612,66.086 115.886,66.086 116.651,66.086 117.247,65.49 117.247,64.679 116.055,63.486 115.816,63.248 115.816,62.46 116.342,61.935 116.342,58.792 117.134,58 117.134,55.305 116.194,55.305 116.194,47 121.775,47 121.775,70.808 105.804,70.808 102.01,70.808 64.808,70.808 59.25,65.25 40.898,65.25 ; 105.005,56.495 104.036,56.495 104,56.531 104,57.561 105,58.561 105,61.304 104.388,61.916 103.564,61.916 102.371,60.723 101.044,62.05 102.099,63.105 102.099,65.953 80.703,65.953 76.267,61.517 40.909,61.517 40.898,65.25 ; 185.75,114 185.75,124.25 182.25,127.75 178.5,127.75 178,127.25 173.5,127.25 173,127.75 49.5,127.75 47,127.75 46.5,127.25 42,127.25 41.5,127.75 37.75,127.75 34.25,124.25 34.25,16.75 37.75,13.25 41.5,13.25 42,13.75 46.5,13.75 47,13.25 173,13.25 173.5,13.75 178,13.75 178.5,13.25 182.25,13.25 185.75,16.75 185.75,93 139.809,93 139.809,74 174.5,74 174.5,47.75 ; 126.5,178.25 173,178.25 173.5,178.75 178,178.75 178.5,178.25 182.5,178.25 185.75,181.5 185.75,193 186,194 186.75,195 188.25,195.75 199.25,195.75 206.75,203.25 206.75,261.5 ; 126.5,178.25 126.5,205.75 ; 126.5,178.25 126.5,205.75 ; 126.5,178.25 47,178.25 46.5,178.75 42,178.75 41.5,178.25 37.5,178.25 34.25,181.5 34.25,193 33.75,194.25 32.75,195.25 31.25,195.75 29,195.75 29,210.5 28.5,211.75 27.5,212.75 26,213.25 13.25,213.25 13.25,257.75 26,257.75 27.5,258.25 28.5,259.5 28.75,260.75 28.75,275.25 31.75,275.25 32.75,275.75 33.75,276.75 34.25,277.75 34.25,289.25 37.75,292.75 41.5,292.75 42,292.25 46.5,292.25 47,292.75 173,292.75 173.5,292.25 178,292.25 178.5,292.75 182.25,292.75 185.5,289.5 185.75,278 186.25,276.75 187.25,275.75 188.5,275.25 199.25,275.25 206.75,267.75 206.75,261.5 ; 126.5,205.75 183,205.75 ; 126.5,205.75 183,205.75 ; 142.75,47.75 174.5,47.75 ; 142.75,47.75 174.5,47.75 ; 156.25,254 183.25,254 ; 156.25,254 156.25,261.5 ; 156.25,254 156.25,261.5 ; 156.25,254 183.25,254 ; 156.25,261.5 206.75,261.5 ; 156.25,261.5 206.75,261.5 ; 183,205.75 183.25,254 ; 183,205.75 183.25,254
  text "5" at 192,270 h3

## Silkscreen, mask and mechanical layers (free items; w line width, h text height)
Bottom Overlay:
  lines w0.15: 105.685,57.711 105.685,58.25 106.5,58.25
Mechanical 3, 12:
  lines w0.25: 37.5,270 37.5,273 ; 38.25,268.75 38.25,270 ; 40.25,268.75 40.25,270 ; 41,270 41,273 ; 60,190 60.5,190 ; 79,281 79.5,281 ; 140.5,190 141,190 ; 151.5,281 152,281 ; 34.25,270 34.25,273 44.25,273 44.25,270 34.25,270 ; 56.5,187 83.5,187 83.5,190 56.5,190 56.5,187 ; 56.5,281 83.5,281 83.5,284 56.5,284 56.5,281 ; 136.5,187 163.5,187 163.5,190 136.5,190 136.5,187 ; 136.5,281 163.5,281 163.5,284 136.5,284 136.5,281
  text "разъем" at 172.5,290.75 h2
  text "1 Плата жестко-гибкаЯ." at 264.25,160.422 h3
  text "2 Класс точности 4." at 264.25,157.281 h3
  text "3.Толщина фольги 18мкМ" at 264.25,154.141 h3
  text "4 Толщина платы 1.5мм." at 264.25,151 h3
Mechanical 4, spranka:
  text "3" at 192,270 h3
Mechanical 5, контур:
  lines w0.25: 37.25,296 41.25,296 cw(c41.25,294.5) 41.25,293 37.5,293 34,289.5 34,278.5 cw(c31,278.5) 31,275.5 28.5,275.5 28.5,261 cw(c25.5,261) 25.5,258 13,258 13,213 25.75,213 cw(c25.75,210) 28.75,210 28.75,195.5 31,195.5 cw(c31,192.5) 34,192.5 34,181.5 37.5,178 41.225,178 cw(c41.225,176.5) 41.225,175 37.5,175 cw(c37.325,178.225) 35.25,175.75 31.75,179.25 cw(c34.3,181.35) 31,181.5 31,192.5 28.75,192.5 cw(c28.75,195.5) 25.75,195.5 25.75,210 13,210 cw(c13,213) 10,213 10,258 cw(c13,258) 13,261 25.5,261 25.5,275.5 cw(c28.5,275.5) 28.5,278.5 31,278.5 31,289.5 cw(c34.005,289.512) 32,291.75 35.5,295.25 cw(c37.486,292.995) 37.5,296 ; 41.225,10 ccw(c41.225,11.5) 41.225,13 ; 41.25,10 37.5,10 cw(c37.447,12.912) 35.25,11 31.75,14.5 cw(c34.005,16.486) 31,16.5 31,124.5 cw(c34.005,124.514) 31.75,126.5 35.25,130 cw(c37.488,127.995) 37.5,131 41.25,131 cw(c41.25,129.5) 41.25,128 37.5,128 34,124.5 34,16.5 37.5,13 41.25,13 ; 47,178 172.75,178 ; 47.25,128 172.75,128 ; 47.25,131 52,131 52,175 47.25,175 cw(c47.25,176.5) 47.25,178 ; 47.25,293 172.75,293 ; 47.25,296 172.75,296 ; 47.275,128 cw(c47.275,129.5) 47.275,131 ; 47.275,293 cw(c47.275,294.5) 47.275,296 ; 172.675,10 ccw(c172.675,11.5) 172.675,13 ; 172.675,175 ccw(c172.675,176.5) 172.675,178 ; 172.75,10 47.25,10 cw(c47.25,11.5) 47.25,13 172.75,13 ; 172.75,131 168,131 168,175 172.75,175 ; 172.8,128 ccw(c172.8,129.5) 172.8,131 ; 172.8,293 ccw(c172.8,294.5) 172.8,296 ; 178.7,175 cw(c178.7,176.5) 178.7,178 ; 178.75,131 182.5,131 cw(c182.512,127.995) 184.75,130 188.25,126.5 cw(c185.995,124.514) 189,124.5 189,16.5 cw(c185.913,16.517) 188.25,14.5 184.75,11 cw(c182.553,12.912) 182.5,10 178.7,10 cw(c178.7,11.5) 178.7,13 182.5,13 186,16.5 186,124.5 182.5,128 178.825,128 cw(c178.825,129.5) 178.825,131 ; 178.75,175 182.5,175 ccw(c182.512,178.005) 184.75,176 188.25,179.5 ccw(c185.913,181.517) 189,181.5 189,192.5 199.5,192.5 ccw(c199.514,195.505) 201.5,193.25 209,200.75 ccw(c206.995,202.988) 210,203 210,268 ccw(c206.995,268.014) 209.25,270 201.75,277.5 ccw(c199.512,275.495) 199.5,278.5 189,278.5 189,289.5 ccw(c185.995,289.514) 188.25,291.5 184.75,295 ccw(c182.512,292.995) 182.5,296 178.75,296 ; 178.75,178 182.5,178 186,181.5 186,192.5 cw(c189,192.5) 189,195.5 199.5,195.5 207,203 207,268 199.5,275.5 189,275.5 cw(c189,278.5) 186,278.5 186,289.5 182.5,293 178.75,293 ; 178.825,293 cw(c178.825,294.5) 178.825,296
  text "4" at 193.5,270 h3
Mechanical 6, контур_гибкий:
  lines w0.25: 41.225,10 ccw(c41.225,11.5) 41.225,13 ; 41.225,175 ccw(c41.225,176.5) 41.225,178 ; 41.25,10 37.5,10 cw(c37.447,12.912) 35.25,11 31.75,14.5 cw(c34.005,16.486) 31,16.5 31,124.5 cw(c34.005,124.514) 31.75,126.5 35.25,130 cw(c37.488,127.995) 37.5,131 41.25,131 cw(c41.25,129.5) 41.25,128 37.5,128 34,124.5 34,16.5 37.5,13 41.25,13 ; 41.25,175 37.5,175 cw(c37.325,178.225) 35.25,175.75 31.75,179.25 cw(c34.3,181.35) 31,181.5 31,192.5 28.75,192.5 cw(c28.75,195.5) 25.75,195.5 25.75,210 13,210 cw(c13,213) 10,213 10,258 cw(c13,258) 13,261 25.5,261 25.5,275.5 cw(c28.5,275.5) 28.5,278.5 31,278.5 31,289.5 cw(c34.005,289.512) 32,291.75 35.5,295.25 cw(c37.486,292.995) 37.5,296 41.25,296 cw(c41.25,294.5) 41.25,293 37.5,293 34,289.5 34,278.5 cw(c31,278.5) 31,275.5 28.5,275.5 28.5,261 cw(c25.5,261) 25.5,258 13,258 13,213 25.75,213 cw(c25.75,210) 28.75,210 28.75,195.5 31,195.5 cw(c31,192.5) 34,192.5 34,181.5 37.5,178 41.25,178 ; 47.25,128 53.5,128 ccw(c53.5,129.5) 55,129.5 55,176.5 ccw(c53.5,176.5) 53.5,178 47.25,178 ccw(c47.25,176.5) 47.25,175 52,175 52,131 47.25,131 ; 47.25,293 172.75,293 ; 47.25,296 172.75,296 ; 47.275,128 cw(c47.275,129.5) 47.275,131 ; 47.275,293 cw(c47.275,294.5) 47.275,296 ; 172.5,178 166.5,178 ccw(c166.5,176.5) 165,176.5 165,129.5 ccw(c166.5,129.5) 166.5,128 172.75,128 ; 172.675,10 ccw(c172.675,11.5) 172.675,13 ; 172.675,175 ccw(c172.675,176.5) 172.675,178 ; 172.75,10 47.25,10 cw(c47.25,11.5) 47.25,13 172.75,13 ; 172.75,131 168,131 168,175 172.75,175 ; 172.8,128 ccw(c172.8,129.5) 172.8,131 ; 172.8,293 ccw(c172.8,294.5) 172.8,296 ; 178.7,10 cw(c178.7,11.5) 178.7,13 ; 178.7,175 cw(c178.7,176.5) 178.7,178 ; 178.75,10 182.5,10 ccw(c182.553,12.912) 184.75,11 188.25,14.5 ccw(c185.913,16.517) 189,16.5 189,124.5 ccw(c185.995,124.514) 188.25,126.5 184.75,130 ccw(c182.512,127.995) 182.5,131 178.75,131 ; 178.75,13 182.5,13 186,16.5 186,124.5 182.5,128 178.75,128 ; 178.75,175 182.5,175 ccw(c182.512,178.005) 184.75,176 188.25,179.5 ccw(c185.913,181.517) 189,181.5 189,192.5 199.5,192.5 ccw(c199.514,195.505) 201.5,193.25 209,200.75 ccw(c206.995,202.988) 210,203 210,268 ccw(c206.995,268.014) 209.25,270 201.75,277.5 ccw(c199.512,275.495) 199.5,278.5 189,278.5 189,289.5 ccw(c185.995,289.514) 188.25,291.5 184.75,295 ccw(c182.512,292.995) 182.5,296 178.75,296 ; 178.75,178 182.5,178 186,181.5 186,192.5 cw(c189,192.5) 189,195.5 199.5,195.5 207,203 207,268 199.5,275.5 189,275.5 cw(c189,278.5) 186,278.5 186,289.5 182.5,293 178.75,293 ; 178.825,128 cw(c178.825,129.5) 178.825,131 ; 178.825,293 cw(c178.825,294.5) 178.825,296 ; 105,129.5 ccw(c106.5,129.5) 106.5,128 113.5,128 ccw(c113.5,129.5) 115,129.5 115,176.5 ccw(c113.5,176.5) 113.5,178 106.5,178 ccw(c106.5,176.5) 105,176.5 105,129.5

## Text inside footprints (layer, text, board x,y; h text height)
D1: Mechanical 15 "REF" at 107.3,56.5 h1